# Altium PCB MotherBoard.PcbDoc (part 4 of 10)
Units mm, origin at the board's own origin, x right, y up, seen from the top; angles counter-clockwise.
Board outline 200 x 200 mm, 8 copper layers (Top Layer, Ground, Signal Layer 1, Power, Power 2, Signal Layer 2, Ground 2, Bottom Layer), stack 1.494 mm thick; 819 components, 704 nets, 3400 pads, 2339 vias.
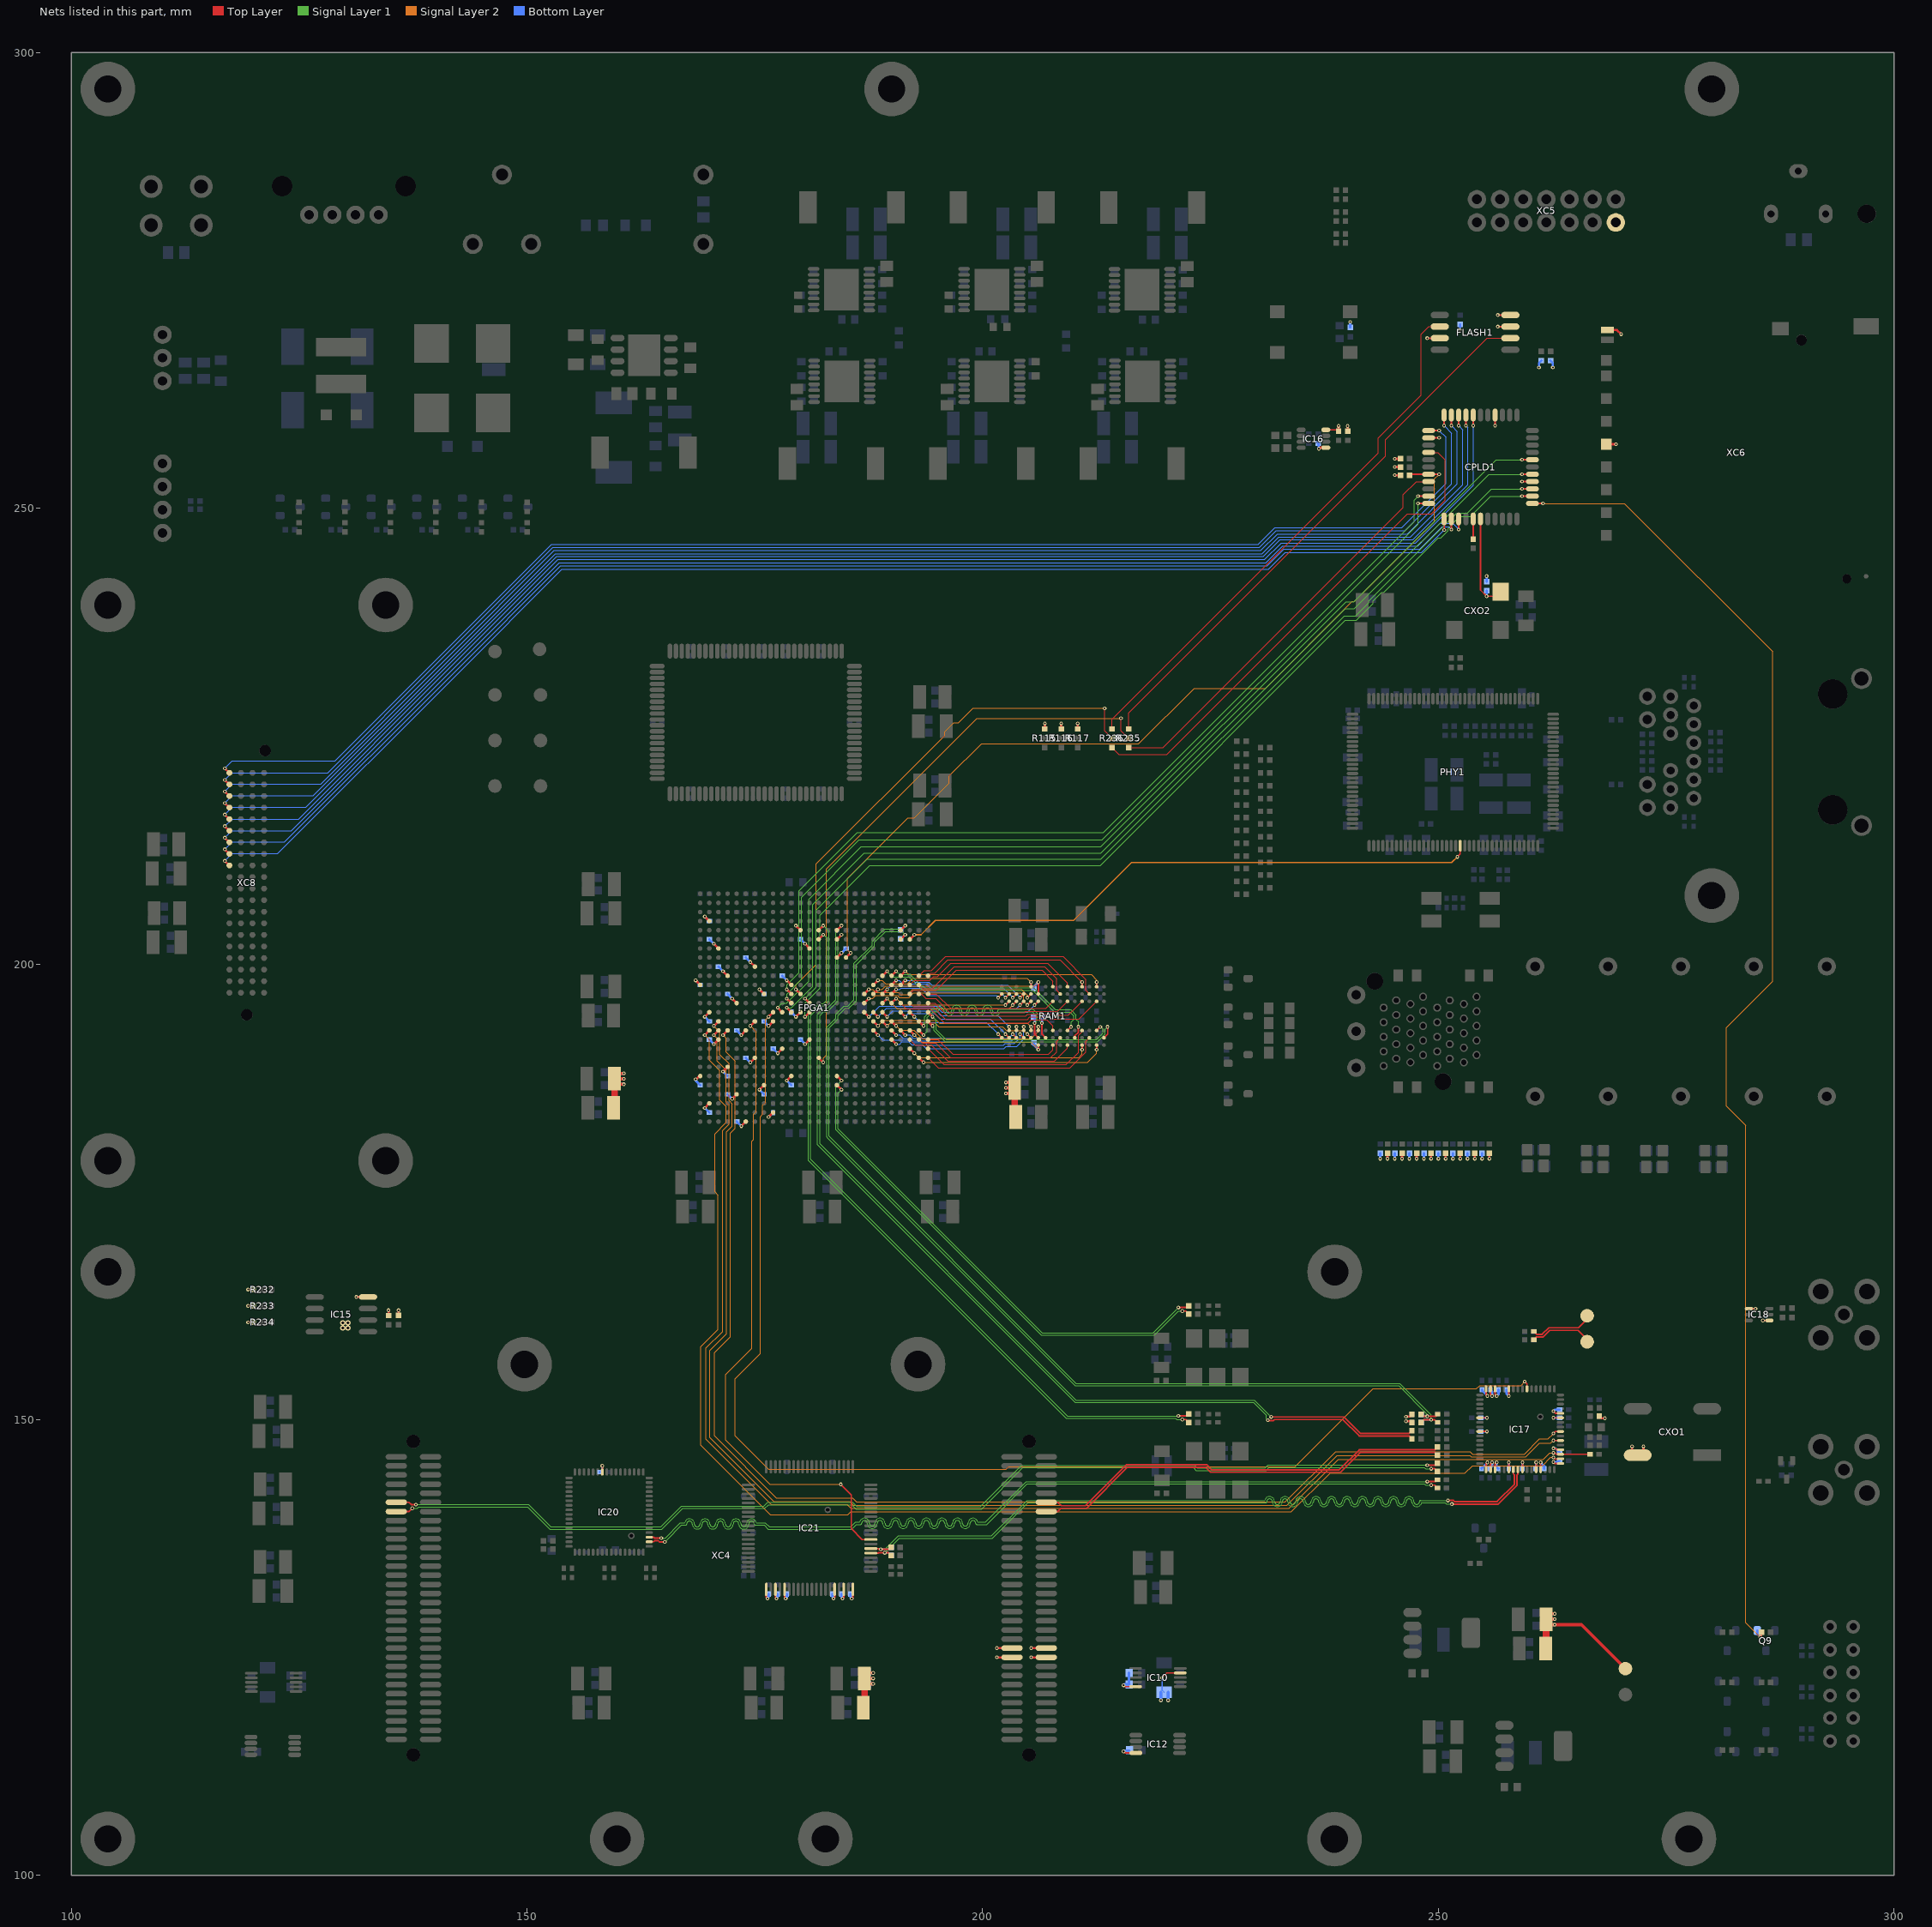
[diagram p10: the nets of this part, all layers, seen from the top]

## Via types
v1: diameter 0.4, hole 0.2, Top Layer to Bottom Layer, tented both sides, 1921 vias
v2: diameter 0.6, hole 0.3, Top Layer to Bottom Layer, tented both sides, 229 vias
v3: diameter 0.7, hole 0.4, Top Layer to Bottom Layer, 128 vias
v4: diameter 0.5, hole 0.2, Top Layer to Bottom Layer, tented both sides, 60 vias
v5: diameter 0.7, hole 0.4, Top Layer to Bottom Layer, tented both sides, 1 vias

## Nets (pads, with @x,y where several pads share a name; then routed paths per layer and width w, separated by ;. In a path a pad name is that pad's centre, name@x,y a point inside that pad or via, vN(x,y) a via of type N, cw(c..) or ccw(c..) an arc to the next point about the centre after c; other vN are vias at no path point) (continued)
AVDD_TX: C232.1 C236.1 C238.2 C254.1 C256.1 C258.1 C321.2 C322.2 C323.2 C324.2 C326.2 C327.2 IC10.5 IC10.9 IC12.8 IC21.61 IC21.63 IC21.65 IC21.76 IC21.78 IC21.80 L27.1 L31.2 XC4.43 XC4.44 XC4.45 XC4.46 | length 35.2
  Top Layer w0.15: v1(219.675,121.675) 220.2,122.2 IC10.9@221.675,122.2
  Top Layer w0.18: IC21.61@176.25,131.415 176.25,130.49 v1(176.375,130.365) ; IC21.63@177.25,131.415 177.25,130.49 v1(177.375,130.365) ; IC21.65@178.25,131.415 178.25,130.49 v1(178.375,130.365) ; v1(183.625,130.365) 183.75,130.49 IC21.76@183.75,131.415 ; v1(184.625,130.365) 184.75,130.49 IC21.78@184.75,131.415 ; v1(185.625,130.365) 185.75,130.49 IC21.80@185.75,131.415 ; v1(215.45,113.6) 215.625,113.425 IC12.8@216.8,113.425 ; v1(215.45,120.85) 215.6,120.7 IC10.5@216.775,120.7
  Top Layer w0.25: v1(201.546,123.914) XC4.45@203.212,123.914 ; v1(201.546,124.93) XC4.43@203.212,124.93 ; v1(205.305,123.914) XC4.46@206.972,123.914 ; v1(205.305,124.93) XC4.44@206.972,124.93
  Top Layer w0.35: C258.1@187.024,121 v1(187.974,121) ; C258.1@187.024,121.6 v1(187.974,121.6) ; C258.1@187.024,122.2 v1(187.974,122.2)
  Top Layer w0.72: L31.2@186.897,118.4 187.024,118.527 C258.1@187.024,121.6
  Bottom Layer w0.15: v1(219.675,121.675) 219.675,120.325 L27.1@219.9,120.1
  Bottom Layer w0.25: v1(176.375,130.365) 176.5,130.49 C326.2@176.5,130.875 ; v1(177.375,130.365) 177.5,130.49 C323.2@177.5,130.875 ; v1(178.375,130.365) 178.5,130.49 C321.2@178.5,130.875 ; C327.2@183.5,130.875 183.5,130.49 v1(183.625,130.365) ; C324.2@184.5,130.875 184.5,130.49 v1(184.625,130.365) ; C322.2@185.5,130.875 185.5,130.49 v1(185.625,130.365) ; v1(215.45,113.6) 215.55,113.7 C238.2@216.05,113.7
  Bottom Layer w0.3: v1(215.45,120.85) 215.55,120.95 C232.1@216.1,120.95 ; C232.1@216.05,120.95 C236.1@216.05,122.2 ; v1(219.55,119.2) L27.1@219.55,120.1 ; v1(220.35,119.2) L27.1@220.35,120.1
  Bottom Layer w0.35: C254.1@187.3,121 v1(187.974,121) ; C256.1@187.3,122.2 v1(187.974,122.2)
CCLK: FPGA1.H13 R235.2 | length 63.8
  Top Layer w0.1: v1(215.175,226.95) 215.175,225.586 R235.2@216,224.761
  Top Layer w0.25: FPGA1.H13@182,189.7 v1(182.5,189.2)
  Signal Layer 2 w0.1: v1(182.5,189.2) 182.5,189.65 182.85,190 182.85,210.425 199.375,226.95 v1(215.175,226.95)
CCLK_CPLD: CPLD1.41 R235.1 | length 45.8
  Top Layer w0.1: R235.1@216,223.745 219.795,223.745 246.15,250.1 246.15,251.5 247.575,252.925 CPLD1.41@248.925,252.925
CCLK_FLASH: FLASH1.6 R235.3 | length 61.7
  Top Layer w0.1: R235.3@216,225.777 216,227.525 244.212,255.737 244.212,257.512 255.36,268.66 FLASH1.6@257.897,268.66
CLK_25MHZ: CPLD1.5 R86.1 | length 2.2
  Top Layer w0.15: R86.1@253.825,246.616 CPLD1.5@253.825,248.825
CLK_25MHZ_EN: CPLD1.6 CXO2.1 R85.1 | length 11.1
  Top Layer w0.15: CPLD1.6@254.625,248.825 254.625,241.017 v1(255.3,240.342)
  Top Layer w0.18: v1(255.3,240.342) 256.332,240.342 CXO2.1@256.84,240.85
  Bottom Layer w0.25: v1(255.3,240.342) R85.1@255.3,240.942
CLK_125MHZ_N: FPGA1.E11 R207.2 | length 54.1
  Top Layer w0.18: v1(221.467,162.3) 222.392,162.3 R207.2@222.592,162.5
  Top Layer w0.25: FPGA1.E11@184,186.7 v1(184.5,186.2)
  Signal Layer 1 w0.1: v1(184.5,186.2) 184.125,185.825 184.125,181.925 206.525,159.525 218.692,159.525 v1(221.467,162.3)
CLK_125MHZ_P: FPGA1.F11 R208.2 | length 55.6
  Top Layer w0.18: v1(221.902,161.91) 222.282,161.91 R208.2@222.592,161.6
  Top Layer w0.25: FPGA1.F11@184,187.7 v1(184.5,187.2)
  Signal Layer 1 w0.1: v1(184.5,187.2) 183.875,186.575 183.875,181.821 206.421,159.275 218.85,159.275 221.475,161.9 221.892,161.9 v1(221.902,161.91)
CLK_156.25MHZ_N: FPGA1.AB13 R203.2 | length 80.9
  Top Layer w0.18: v1(221.467,150.4) 222.392,150.4 R203.2@222.592,150.6
  Top Layer w0.25: FPGA1.AB13@182,203.7 v1(182.5,204.2)
  Signal Layer 1 w0.1: v1(182.5,204.2) 183.125,203.575 183.125,195.921 182.604,195.4 182.175,195.4 181.125,194.35 181.125,178.55 209.275,150.4 v1(221.467,150.4)
CLK_156.25MHZ_P: FPGA1.AA13 R204.2 | length 80.3
  Top Layer w0.18: v1(221.902,150.01) 222.282,150.01 R204.2@222.592,149.7
  Top Layer w0.25: FPGA1.AA13@182,202.7 v1(182.5,203.2)
  Signal Layer 1 w0.1: v1(182.5,203.2) 182.875,202.825 182.875,196.025 182.5,195.65 182.071,195.65 180.875,194.454 180.875,178.446 209.171,150.15 221.151,150.15 221.301,150 221.892,150 v1(221.902,150.01)
CLK_ADC_N: C292.1 IC20.19 | length 101.1
  Top Layer w0.18: IC20.19@163.4,137.1 163.89,137.1 164,136.99 164.715,136.99 v1(164.725,137) ; v1(248.775,143.2) 249.7,143.2 C292.1@249.9,143.4
  Signal Layer 1 w0.1: v1(164.725,137) 165.15,137 166.825,138.675 167.288,138.675 cw(c167.823,138.55) 168.373,138.55 ccw(c168.673,138.55) 168.973,138.55 cw(c169.523,138.55) 170.073,138.55 ccw(c170.373,138.55) 170.673,138.55 cw(c171.223,138.55) 171.773,138.55 ccw(c172.073,138.55) 172.373,138.55 cw(c172.923,138.55) 173.473,138.55 ccw(c173.773,138.55) 174.073,138.55 cw(c174.623,138.55) 175.159,138.675 176.125,138.675 176.575,138.225 185.525,138.225 186.05,138.75 186.491,138.75 cw(c187.027,138.625) 187.577,138.625 ccw(c187.877,138.625) 188.177,138.625 cw(c188.727,138.625) 189.277,138.625 ccw(c189.577,138.625) 189.877,138.625 cw(c190.427,138.625) 190.977,138.625 ccw(c191.277,138.625) 191.577,138.625 cw(c192.127,138.625) 192.677,138.625 ccw(c192.977,138.625) 193.277,138.625 cw(c193.827,138.625) 194.377,138.625 ccw(c194.677,138.625) 194.977,138.625 cw(c195.527,138.625) 196.077,138.625 ccw(c196.377,138.625) 196.677,138.625 cw(c197.227,138.625) 197.777,138.625 ccw(c198.077,138.625) 198.377,138.625 cw(c198.927,138.625) 199.462,138.75 200.325,138.75 204.775,143.2 v1(248.775,143.2)
CLK_ADC_P: C291.1 IC20.18 | length 101.4
  Top Layer w0.18: IC20.18@163.4,136.6 163.89,136.6 164,136.71 164.4,136.71 164.528,136.582 v1(165.108,136.582) ; v1(249.21,142.81) 249.59,142.81 C291.1@249.9,142.5
  Signal Layer 1 w0.1: v1(165.108,136.582) 165.338,136.812 166.951,138.425 167.398,138.425 ccw(c167.398,138.55) 167.523,138.55 cw(c167.823,138.55) 168.123,138.55 ccw(c168.673,138.55) 169.223,138.55 cw(c169.523,138.55) 169.823,138.55 ccw(c170.373,138.55) 170.923,138.55 cw(c171.223,138.55) 171.523,138.55 ccw(c172.073,138.55) 172.623,138.55 cw(c172.923,138.55) 173.223,138.55 ccw(c173.773,138.55) 174.323,138.55 cw(c174.623,138.55) 174.923,138.55 ; 174.923,138.551 ccw(c175.048,138.55) 175.048,138.425 176.021,138.425 176.471,137.975 185.629,137.975 186.154,138.5 186.602,138.5 ccw(c186.602,138.625) 186.727,138.625 cw(c187.027,138.625) 187.327,138.625 ccw(c187.877,138.625) 188.427,138.625 cw(c188.727,138.625) 189.027,138.625 ccw(c189.577,138.625) 190.127,138.625 cw(c190.427,138.625) 190.727,138.625 ccw(c191.277,138.625) 191.827,138.625 cw(c192.127,138.625) 192.427,138.625 ccw(c192.977,138.625) 193.527,138.625 cw(c193.827,138.625) 194.127,138.625 ccw(c194.677,138.625) 195.227,138.625 cw(c195.527,138.625) 195.827,138.625 ccw(c196.377,138.625) 196.927,138.625 cw(c197.227,138.625) 197.527,138.625 ccw(c198.077,138.625) 198.627,138.625 cw(c198.927,138.625) 199.227,138.625 ccw(c199.352,138.625) 199.352,138.5 200.429,138.5 204.879,142.95 248.459,142.95 248.609,142.8 249.2,142.8 v1(249.21,142.81)
CLK_DAC_N: IC17.55 IC21.6 R175.1 R178.1 | length 87.4
  Top Layer w0.18: IC21.6@187.725,135.85 188.525,135.85 188.6,135.775 v1(188.817,135.775) 189.742,135.775 R175.1@189.942,135.975 ; v1(251.05,141.125) 251.647,141.125 251.757,141.015 256.444,141.015 258.35,142.921 258.35,143.925 258.225,144.05 IC17.55@258.225,144.525
  Signal Layer 1 w0.1: v1(188.817,135.775) 188.842,135.8 189.314,135.8 190.764,137.25 200.971,137.25 204.846,141.125 204.916,141.125 230.939,141.125 cw(c231.475,141) 232.025,141 ccw(c232.325,141) 232.625,141 cw(c233.175,141) 233.725,141 ccw(c234.025,141) 234.325,141 cw(c234.875,141) 235.425,141 ccw(c235.725,141) 236.025,141 cw(c236.575,141) 237.125,141 ccw(c237.425,141) 237.725,141 cw(c238.275,141) 238.825,141 ccw(c239.125,141) 239.425,141 cw(c239.975,141) 240.525,141 ccw(c240.825,141) 241.125,141 cw(c241.675,141) 242.225,141 ccw(c242.525,141) 242.825,141 cw(c243.375,141) 243.925,141 ccw(c244.225,141) 244.525,141 cw(c245.075,141) 245.625,141 ccw(c245.925,141) 246.225,141 cw(c246.775,141) 247.325,141 ccw(c247.625,141) 247.925,141 cw(c248.05,141) 248.05,141.125 250.734,141.125 v1(251.05,141.125)
  Bottom Layer w0.18: v1(188.817,135.775) 189.75,135.775 R178.1@189.95,135.975
CLK_DAC_P: IC17.56 IC21.5 R176.1 R177.1 | length 87.2
  Top Layer w0.18: IC21.5@187.725,135.35 188.54,135.35 188.575,135.385 v1(189.252,135.385) 189.632,135.385 R176.1@189.942,135.075 ; v1(251.485,140.735) 256.56,140.735 258.63,142.805 258.63,143.93 258.725,144.025 IC17.56@258.725,144.525
  Signal Layer 1 w0.1: v1(189.252,135.385) 190.867,137 201.075,137 204.95,140.875 231.05,140.875 ccw(c231.05,141) 231.175,141 cw(c231.475,141) 231.775,141 ccw(c232.325,141) 232.875,141 cw(c233.175,141) 233.475,141 ccw(c234.025,141) 234.575,141 cw(c234.875,141) 235.175,141 ccw(c235.725,141) 236.275,141 cw(c236.575,141) 236.875,141 ccw(c237.425,141) 237.975,141 cw(c238.275,141) 238.575,141 ccw(c239.125,141) 239.675,141 cw(c239.975,141) 240.275,141 ccw(c240.825,141) 241.375,141 cw(c241.675,141) 241.975,141 ccw(c242.525,141) 243.075,141 cw(c243.375,141) 243.675,141 ccw(c244.225,141) 244.775,141 cw(c245.075,141) 245.375,141 ccw(c245.925,141) 246.475,141 cw(c246.775,141) 247.075,141 ccw(c247.625,141) 248.161,140.875 250.734,140.875 250.884,140.725 251.475,140.725 v1(251.485,140.735)
  Bottom Layer w0.18: v1(189.252,135.385) 189.64,135.385 R177.1@189.95,135.075
CLK_FPGA_N: C298.1 FPGA1.AB4 R132.2 R134.2 R139.2 | length 110.9
  Top Layer w0.18: R132.2@248.117,150.581 248.317,150.381 v1(248.776,150.381) 249.735,150.381 C298.1@249.916,150.562
  Top Layer w0.25: FPGA1.AB4@191,203.7 v1(191.5,204.2)
  Signal Layer 1 w0.1: v1(191.5,204.2) 191.125,203.825 189.221,203.825 187.875,202.479 187.875,202.05 185.875,200.05 185.875,196.054 185.196,195.375 184.796,195.375 183.875,194.454 183.875,194.054 182.875,193.054 182.875,180.996 182.9,180.971 210.146,153.725 245.646,153.725 248.776,150.595 v1(248.776,150.381)
  Bottom Layer w0.18: R139.2@248.109,150.581 248.309,150.381 v1(248.776,150.381)
  Bottom Layer w0.25: R134.2@191,203.758 191.058,203.758 v1(191.5,204.2)
CLK_FPGA_P: C297.1 FPGA1.AA4 R131.2 R134.1 R138.1 | length 111.6
  Top Layer w0.18: R131.2@248.109,149.681 248.419,149.991 v1(249.211,149.991) 249.587,149.991 C297.1@249.916,149.662
  Top Layer w0.25: FPGA1.AA4@191,202.7 v1(191.5,203.2)
  Signal Layer 1 w0.1: v1(191.5,203.2) 191.125,203.575 189.325,203.575 188.125,202.375 188.125,201.946 186.125,199.946 186.125,195.95 185.3,195.125 184.9,195.125 184.125,194.35 184.125,193.95 183.125,192.95 183.125,181.1 210.25,153.975 245.75,153.975 249.211,150.514 v1(249.211,149.991)
  Bottom Layer w0.18: R138.1@248.109,149.681 248.419,149.991 v1(249.211,149.991)
  Bottom Layer w0.25: R134.1@191,202.742 191.042,202.742 v1(191.5,203.2)
CLK_LOCK: C299.2 FPGA1.L24 IC17.3 | length 149.6
  Top Layer w0.13: v1(262.625,146.35) 262.8,146.35 262.95,146.2 IC17.3@263.4,146.2
  Top Layer w0.18: IC17.3@263.4,146.2 C299.2@266.65,146.2
  Top Layer w0.25: v1(170.5,192.2) FPGA1.L24@171,192.7
  Signal Layer 2 w0.1: v1(170.5,192.2) 170.85,191.85 170.85,189.345 171.85,188.345 171.85,184.825 172.175,184.5 172.175,182.425 171.45,181.7 171.45,159.675 169.625,157.85 169.625,147.825 176.775,140.675 185.1,140.675 185.525,140.25 233.625,140.25 239.025,145.65 261.525,145.65 262.225,146.35 v1(262.625,146.35)
CLK_REFMON: FPGA1.L25 IC17.2 | length 148.3
  Top Layer w0.13: v1(262.625,145.85) 262.775,145.7 IC17.2@263.4,145.7
  Top Layer w0.25: v1(169.5,192.2) FPGA1.L25@170,192.7
  Signal Layer 2 w0.1: v1(169.5,192.2) 170.025,191.675 170.025,189.45 171.15,188.325 171.15,185.055 171.85,184.355 171.85,182.6 170.6,181.35 170.6,174.975 170.95,174.625 170.95,159.9 169.05,158 169.05,147.2 176.7,139.55 185.2,139.55 185.525,139.875 233.875,139.875 238.125,144.125 252.925,144.125 253.75,144.95 261.425,144.95 262.325,145.85 v1(262.625,145.85)
CLK_RESET: FPGA1.N18 IC17.23 | length 141.2
  Top Layer w0.13: v1(259.475,154.175) 259.725,153.925 IC17.23@259.725,153.375
  Top Layer w0.25: v1(176.5,194.2) FPGA1.N18@177,194.7
  Signal Layer 2 w0.1: v1(176.5,194.2) 176.15,193.85 176.15,184.775 175.85,184.475 175.85,183.5 175.6,183.25 175.6,157.25 172.85,154.5 172.85,148.2 176.481,144.569 202.569,144.569 202.825,144.825 234.275,144.825 242.825,153.375 254.2,153.375 254.575,153.75 259.05,153.75 v1(259.475,154.175)
CLK_STATUS: FPGA1.M24 IC17.6 | length 147.2
  Top Layer w0.13: v1(262.625,147.7) IC17.6@263.4,147.7
  Top Layer w0.25: v1(170.5,193.2) FPGA1.M24@171,193.7
  Signal Layer 2 w0.1: v1(170.5,193.2) 171.15,192.55 171.15,190.05 172.15,189.05 172.15,185 172.5,184.65 172.5,182.2 171.875,181.575 171.875,159.4 170.05,157.575 170.05,148.025 177.05,141.025 185.375,141.025 185.8,140.6 233.4,140.6 238.875,146.075 253.482,146.075 253.632,145.925 259.6,145.925 261.1,147.425 262.325,147.425 262.6,147.7 v1(262.625,147.7)
CLK_SYNC: FPGA1.L23 IC17.8 | length 145.5
  Top Layer w0.13: v1(262.625,148.475) 262.85,148.7 IC17.8@263.4,148.7
  Top Layer w0.25: v1(171.5,192.2) FPGA1.L23@172,192.7
  Signal Layer 2 w0.1: v1(171.5,192.2) 171.85,191.85 171.85,190.35 172.85,189.35 172.85,181.975 172.3,181.425 172.3,159.1 170.55,157.35 170.55,148.2 177.35,141.4 185.725,141.4 186.15,140.975 233.2,140.975 238.725,146.5 253.463,146.5 253.763,146.2 259.425,146.2 261.1,147.875 262.025,147.875 v1(262.625,148.475)
CLK_TEST_N: C288.2 CP12.1 | length 7
  Top Layer w0.18: C288.2@260.475,159.675 260.785,159.365 261.394,159.365 262.109,160.08 265.38,160.08 266.325,161.025 CP12.1@266.325,161.4
CLK_TEST_P: C289.2 CP11.1 | length 7
  Top Layer w0.18: C289.2@260.475,158.775 260.785,159.085 261.51,159.085 262.225,159.8 265.345,159.8 266.325,158.82 CP11.1@266.325,158.539
CLK_TO_MAC: FPGA1.AA3 PHY1.85 | length 65.2
  Top Layer w0.15: v1(252.075,211.75) 252.4,212.075 PHY1.85@252.4,212.971
  Top Layer w0.25: FPGA1.AA3@192,202.7 v1(192.5,203.2)
  Signal Layer 2 w0.15: v1(192.5,203.2) 193.225,203.2 194.8,204.775 209.975,204.775 216.325,211.125 251.45,211.125 v1(252.075,211.75)
CLOCK_RX_N: R160.1 XC4.75 | length 118.9
  Top Layer w0.18: XC4.75@135.648,140.932 137.043,140.932 137.3,140.675 v1(137.8,140.675) ; v1(248.775,145) 249.7,145 R160.1@249.9,145.2
  Signal Layer 1 w0.1: v1(137.8,140.675) 150.154,140.675 152.579,138.25 164.7,138.25 166.95,140.5 175.979,140.5 176.404,140.925 185.675,140.925 185.68,140.92 185.734,140.92 186.204,140.45 199.755,140.45 204.28,144.975 223.246,144.975 223.541,144.68 231.005,144.68 231.325,145 v1(248.775,145)
CLOCK_RX_P: R159.1 XC4.77 | length 119.1
  Top Layer w0.18: XC4.77@135.648,139.916 137.041,139.916 v1(137.396,140.271) ; v1(249.21,144.61) 249.59,144.61 R159.1@249.9,144.3
  Signal Layer 1 w0.1: v1(137.396,140.271) 137.962,140.271 138.116,140.425 150.05,140.425 152.495,137.98 164.805,137.98 167.075,140.25 176.083,140.25 176.503,140.67 185.63,140.67 186.105,140.195 199.866,140.195 204.391,144.72 223.13,144.72 223.425,144.425 231.1,144.425 231.105,144.43 231.109,144.43 231.429,144.75 248.459,144.75 248.609,144.6 249.2,144.6 v1(249.21,144.61)
CLOCK_TX_N: R162.1 XC4.12 | length 46.2
  Top Layer w0.18: XC4.12@206.972,140.932 208.23,140.932 208.612,140.55 211.279,140.55 215.779,145.05 224.571,145.05 225.121,144.5 239.125,144.5 241.315,146.69 249.59,146.69 R162.1@249.9,147
CLOCK_TX_P: R161.1 XC4.14 | length 46.2
  Top Layer w0.18: XC4.14@206.972,139.916 208.23,139.916 208.584,140.27 211.395,140.27 215.895,144.77 224.455,144.77 225.005,144.22 239.241,144.22 241.431,146.41 249.59,146.41 R161.1@249.9,146.1
CPLD_CLK: CPLD1.13 FPGA1.N14 | length 110.1
  Top Layer w0.18: v1(259.171,251.325) CPLD1.13@260.325,251.325
  Top Layer w0.25: v1(180.5,194.2) FPGA1.N14@181,194.7
  Signal Layer 1 w0.1: v1(180.5,194.2) 180.5,195.7 182.125,197.325 182.125,205.325 187.6,210.8 212.9,210.8 239.8,237.7 240.99,237.7 242.825,239.535 242.825,239.825 243.775,240.775 244.034,240.775 249.984,246.725 250.249,246.725 251.05,247.526 251.05,247.791 252.334,249.075 253.5,249.075 255.75,251.325 v1(259.171,251.325)
CPLD_DEBUG_1: CPLD1.1 XC8.69 | length 150.7
  Top Layer w0.18: v1(250.65,247.621) CPLD1.1@250.65,248.775
  Top Layer w0.25: v1(116.835,211.305) XC8.69@117.335,210.805
  Bottom Layer w0.1: v1(116.835,211.305) 117.63,212.1 122.65,212.1 142.325,231.775 153.844,243.294 231.369,243.294 233.2,245.125 248.154,245.125 v1(250.65,247.621)
CPLD_DEBUG_2: CPLD1.2 XC8.68 | length 151.2
  Top Layer w0.18: v1(251.425,247.671) CPLD1.2@251.425,248.825
  Top Layer w0.25: v1(116.835,212.575) XC8.68@117.335,212.075
  Bottom Layer w0.1: v1(116.835,212.575) 117.635,213.375 123.395,213.375 142.06,232.04 153.689,243.669 231.214,243.669 233.045,245.5 247.95,245.5 250.421,247.971 251.125,247.971 v1(251.425,247.671)
CPLD_DEBUG_3: CPLD1.3 XC8.67 | length 151.8
  Top Layer w0.18: v1(252.225,247.671) CPLD1.3@252.225,248.825
  Top Layer w0.25: v1(116.835,213.845) XC8.67@117.335,213.345
  Bottom Layer w0.1: v1(116.835,213.845) 117.615,214.625 124.145,214.625 141.81,232.29 153.542,244.022 231.067,244.022 232.898,245.853 247.728,245.853 250.2,248.325 251.571,248.325 v1(252.225,247.671)
CPLD_DEBUG_4: CPLD1.29 XC8.66 | length 160.9
  Top Layer w0.18: v1(253.825,259.071) CPLD1.29@253.825,260.225
  Top Layer w0.25: v1(116.835,215.115) XC8.66@117.335,214.615
  Bottom Layer w0.1: v1(116.835,215.115) 117.62,215.9 124.93,215.9 141.565,232.535 153.399,244.369 230.924,244.369 232.755,246.2 247.5,246.2 253.825,252.525 v1(253.825,259.071)
CPLD_DEBUG_5: CPLD1.30 XC8.65 | length 159.9
  Top Layer w0.18: v1(253.025,259.071) CPLD1.30@253.025,260.225
  Top Layer w0.25: v1(116.835,216.385) XC8.65@117.335,215.885
  Bottom Layer w0.1: v1(116.835,216.385) 117.625,217.175 125.727,217.175 141.326,232.774 153.259,244.706 230.784,244.706 232.615,246.537 247.212,246.537 253.25,252.575 253.25,258.846 v1(253.025,259.071)
CPLD_DEBUG_6: CPLD1.31 XC8.64 | length 158.8
  Top Layer w0.18: v1(252.225,259.071) CPLD1.31@252.225,260.225
  Top Layer w0.25: v1(116.835,217.655) XC8.64@117.335,217.155
  Bottom Layer w0.1: v1(116.835,217.655) 117.63,218.45 126.552,218.45 141.101,232.999 153.127,245.025 230.652,245.025 232.483,246.856 246.931,246.856 252.675,252.6 252.675,258.621 v1(252.225,259.071)
CPLD_DEBUG_7: CPLD1.32 XC8.63 | length 157.8
  Top Layer w0.18: v1(251.425,259.071) CPLD1.32@251.425,260.225
  Top Layer w0.25: v1(116.835,218.925) XC8.63@117.335,218.425
  Bottom Layer w0.1: v1(116.835,218.925) 117.66,219.75 127.383,219.75 140.867,233.233 152.99,245.356 230.515,245.356 232.346,247.187 246.612,247.187 252.075,252.65 252.075,258.421 v1(251.425,259.071)